# Altium PCB ZZW-FM17550-CB-001-V0.4.PcbDoc (part 3 of 3) (continued)
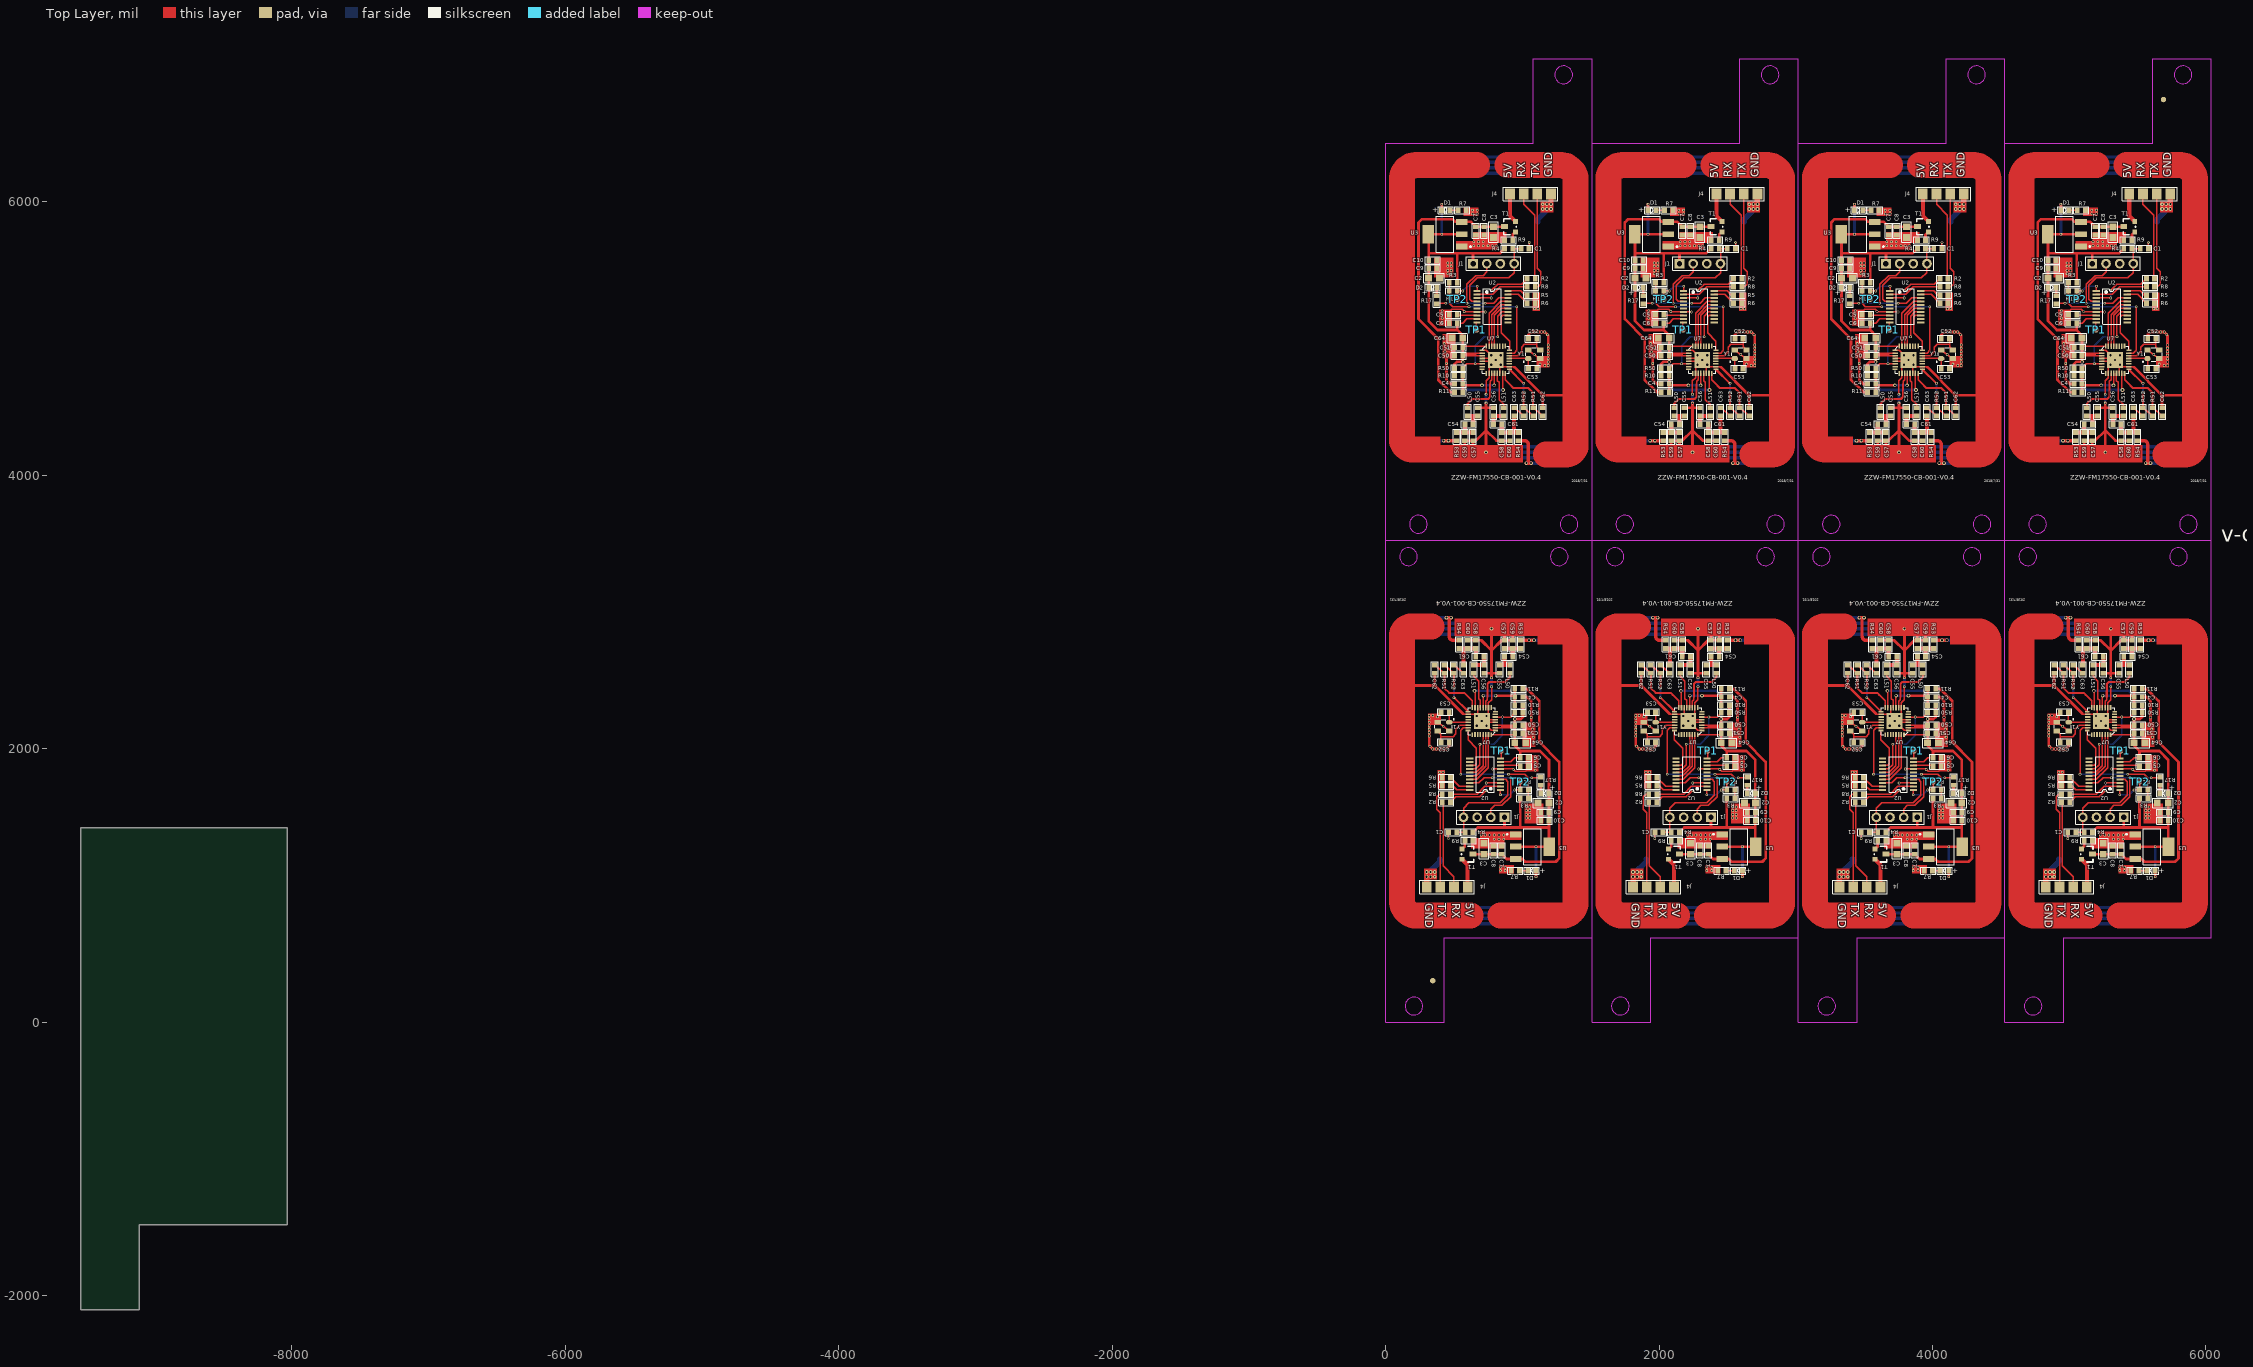
[diagram p0: Top Layer view]
## Nets (pads, with @x,y where several pads share a name; then routed paths per layer and width w, separated by ;. In a path a pad name is that pad's centre, name@x,y a point inside that pad or via, vN(x,y) a via of type N, cw(c..) or ccw(c..) an arc to the next point about the centre after c; other vN are vias at no path point) (continued)
  Bottom Layer w10: v2(549.58,1814.42) v2(899.58,1814.42) ; v2(610.42,5233.59) v2(960.42,5233.59) ; v2(2059.58,1814.42) v2(2409.58,1814.42) ; v2(2120.42,5233.59) v2(2470.42,5233.59) ; v2(3569.58,1814.42) v2(3919.58,1814.42) ; v2(3630.42,5233.59) v2(3980.42,5233.59) ; v2(5079.58,1814.42) v2(5429.58,1814.42) ; v2(5140.42,5233.59) v2(5490.42,5233.59)
NetR9_1: R9.1 T1.2 | length 562.3
  Top Layer w20: T1.2@560,1267 580,1287 R9.1@580,1329 ; R9.1@930,5719.01 930,5761.01 T1.2@950,5781.01 ; T1.2@2070,1267 2090,1287 R9.1@2090,1329 ; R9.1@2440,5719.01 2440,5761.01 T1.2@2460,5781.01 ; T1.2@3580,1267 3600,1287 R9.1@3600,1329 ; R9.1@3950,5719.01 3950,5761.01 T1.2@3970,5781.01 ; T1.2@5090,1267 5110,1287 R9.1@5110,1329 ; R9.1@5460,5719.01 5460,5761.01 T1.2@5480,5781.01
NetR51_2: R51.2 R52.1 U7.17 | length 3324.8
  Top Layer w15: R51.2@430.05,2612.64 R52.1@500.05,2552.64 500.05,2439.05 v2(500,2439) ; v2(500,2374) 502.49,2374 U7.17@603.08,2273.41 ; U7.17@906.92,4774.59 1007.51,4674.01 v2(1010,4674.01) ; v2(1010,4609.01) v2(1010,4609.01) R52.1@1009.95,4495.37 R51.2@1079.95,4435.37 ; R51.2@1940.05,2612.64 R52.1@2010.05,2552.64 2010.05,2439.05 v2(2010,2439) ; v2(2010,2374) 2012.49,2374 U7.17@2113.08,2273.41 ; U7.17@2416.92,4774.59 2517.51,4674.01 v2(2520,4674.01) ; v2(2520,4609.01) v2(2520,4609.01) R52.1@2519.95,4495.37 R51.2@2589.95,4435.37 ; R51.2@3450.05,2612.64 R52.1@3520.05,2552.64 3520.05,2439.05 v2(3520,2439) ; v2(3520,2374) 3522.49,2374 U7.17@3623.08,2273.41 ; U7.17@3926.92,4774.59 4027.51,4674.01 v2(4030,4674.01) ; v2(4030,4609.01) v2(4030,4609.01) R52.1@4029.95,4495.37 R51.2@4099.95,4435.37 ; R51.2@4960.05,2612.64 R52.1@5030.05,2552.64 5030.05,2439.05 v2(5030,2439) ; v2(5030,2374) 5032.49,2374 U7.17@5133.08,2273.41 ; U7.17@5436.92,4774.59 5537.51,4674.01 v2(5540,4674.01) ; v2(5540,4609.01) v2(5540,4609.01) R52.1@5539.95,4495.37 R51.2@5609.95,4435.37
  Bottom Layer w15: v2(500,2374) v2(500,2439) ; v2(1010,4609.01) v2(1010,4674.01) ; v2(2010,2374) v2(2010,2439) ; v2(2520,4609.01) v2(2520,4674.01) ; v2(3520,2374) v2(3520,2439) ; v2(4030,4609.01) v2(4030,4674.01) ; v2(5030,2374) v2(5030,2439) ; v2(5540,4609.01) v2(5540,4674.01)
NetTP1_1: TP1.1 U2.10 | length 449.5
  Top Layer w10: TP1.1@665,5064.01 665,5115.07 U2.10@668.62,5118.69 ; U2.10@841.38,1929.32 845,1932.94 TP1.1@845,1984 ; TP1.1@2175,5064.01 2175,5115.07 U2.10@2178.62,5118.69 ; U2.10@2351.38,1929.32 2355,1932.94 TP1.1@2355,1984 ; TP1.1@3685,5064.01 3685,5115.07 U2.10@3688.62,5118.69 ; U2.10@3861.38,1929.32 3865,1932.94 TP1.1@3865,1984 ; TP1.1@5195,5064.01 5195,5115.07 U2.10@5198.62,5118.69 ; U2.10@5371.38,1929.32 5375,1932.94 TP1.1@5375,1984
TVDD: C4.2 R10.2 R11.2 U7.12 | length 3438.9
  Top Layer w10: C4.2@565,4659.01 C4.2@565,4669.01 ; U7.12@713.31,2301.22 713.31,2387.31 v3(715,2389) ; v3(795,4659.01) 796.69,4660.69 U7.12@796.69,4746.79 ; C4.2@945,2379 C4.2@945,2389 ; C4.2@2075,4659.01 C4.2@2075,4669.01 ; U7.12@2223.31,2301.22 2223.31,2387.31 v3(2225,2389) ; v3(2305,4659.01) 2306.69,4660.69 U7.12@2306.69,4746.79 ; C4.2@2455,2379 C4.2@2455,2389 ; C4.2@3585,4659.01 C4.2@3585,4669.01 ; U7.12@3733.31,2301.22 3733.31,2387.31 v3(3735,2389) ; v3(3815,4659.01) 3816.69,4660.69 U7.12@3816.69,4746.79 ; C4.2@3965,2379 C4.2@3965,2389 ; C4.2@5095,4659.01 C4.2@5095,4669.01 ; U7.12@5243.31,2301.22 5243.31,2387.31 v3(5245,2389) ; v3(5325,4659.01) 5326.69,4660.69 U7.12@5326.69,4746.79 ; C4.2@5475,2379 C4.2@5475,2389
  Top Layer w20: R10.2@564.95,4720.37 565,4720.32 C4.2@565,4669.01 ; R11.2@565,4609.01 565,4659.01 v3(705,4659.01) ; v3(805,2389) 945,2389 R11.2@945,2439 ; C4.2@945,2379 945,2327.68 R10.2@945.05,2327.64 ; R10.2@2074.95,4720.37 2075,4720.32 C4.2@2075,4669.01 ; R11.2@2075,4609.01 2075,4659.01 v3(2215,4659.01) ; v3(2315,2389) 2455,2389 R11.2@2455,2439 ; C4.2@2455,2379 2455,2327.68 R10.2@2455.05,2327.64 ; R10.2@3584.95,4720.37 3585,4720.32 C4.2@3585,4669.01 ; R11.2@3585,4609.01 3585,4659.01 v3(3725,4659.01) ; v3(3825,2389) 3965,2389 R11.2@3965,2439 ; C4.2@3965,2379 3965,2327.68 R10.2@3965.05,2327.64 ; R10.2@5094.95,4720.37 5095,4720.32 C4.2@5095,4669.01 ; R11.2@5095,4609.01 5095,4659.01 v3(5235,4659.01) ; v3(5335,2389) 5475,2389 R11.2@5475,2439 ; C4.2@5475,2379 5475,2327.68 R10.2@5475.05,2327.64
  Bottom Layer w20: v3(705,4659.01) v3(795,4659.01) ; v3(715,2389) v3(805,2389) ; v3(2215,4659.01) v3(2305,4659.01) ; v3(2225,2389) v3(2315,2389) ; v3(3725,4659.01) v3(3815,4659.01) ; v3(3735,2389) v3(3825,2389) ; v3(5235,4659.01) v3(5325,4659.01) ; v3(5245,2389) v3(5335,2389)
VDD: C2.2 C6.1 C9.2 C10.2 C50.2 C51.2 C64.2 D1.1 D2.1 J1.1 R3.2 R4.2 R10.1 R50.2 U2.9 U3.2 U3.4 U7.2 U7.3 U7.15 U7.32 | length 31038.4
  Top Layer w10: 545,5114.01 564.72,5114.01 595,5144.28 U2.9@668.62,5144.28 ; 564.95,4900.37 570.9,4894.43 584.01,4894.43 ; C51.2@564.95,4935.37 575.19,4945.61 U7.32@737.63,4945.61 ; v3(650,2424) 654.26,2419.74 U7.15@654.26,2301.22 ; U7.3@708.1,4874.74 ccw(c706.58,4873.22) 706.58,4875.37 C50.2@564.95,4875.37 584.01,4894.43 ; U7.2@708.1,4894.43 584.01,4894.43 ; U7.32@772.37,2102.4 934.81,2102.4 C51.2@945.05,2112.64 ; U7.2@801.9,2153.58 925.99,2153.58 ; U7.3@801.9,2173.27 ccw(c803.42,2174.79) 803.42,2172.64 C50.2@945.05,2172.64 925.99,2153.58 ; U2.9@841.38,1903.72 915,1903.72 945.28,1934 965,1934 ; U7.15@855.74,4746.79 855.74,4628.27 v3(860,4624.01) ; 945.05,2147.64 939.1,2153.58 925.99,2153.58 ; 2055,5114.01 2074.72,5114.01 2105,5144.28 U2.9@2178.62,5144.28 ; 2074.95,4900.37 2080.9,4894.43 2094.01,4894.43 ; C51.2@2074.95,4935.37 2085.19,4945.61 U7.32@2247.63,4945.61 ; v3(2160,2424) 2164.26,2419.74 U7.15@2164.26,2301.22 ; U7.3@2218.1,4874.74 ccw(c2216.58,4873.22) 2216.58,4875.37 C50.2@2074.95,4875.37 2094.01,4894.43 ; U7.2@2218.1,4894.43 2094.01,4894.43 ; U7.32@2282.37,2102.4 2444.81,2102.4 C51.2@2455.05,2112.64 ; U7.2@2311.9,2153.58 2435.99,2153.58 ; U7.3@2311.9,2173.27 ccw(c2313.42,2174.79) 2313.42,2172.64 C50.2@2455.05,2172.64 2435.99,2153.58 ; U2.9@2351.38,1903.72 2425,1903.72 2455.28,1934 2475,1934 ; U7.15@2365.74,4746.79 2365.74,4628.27 v3(2370,4624.01) ; 2455.05,2147.64 2449.1,2153.58 2435.99,2153.58 ; 3565,5114.01 3584.72,5114.01 3615,5144.28 U2.9@3688.62,5144.28 ; 3584.95,4900.37 3590.9,4894.43 3604.01,4894.43 ; C51.2@3584.95,4935.37 3595.19,4945.61 U7.32@3757.63,4945.61 ; v3(3670,2424) 3674.26,2419.74 U7.15@3674.26,2301.22 ; U7.3@3728.1,4874.74 ccw(c3726.58,4873.22) 3726.58,4875.37 C50.2@3584.95,4875.37 3604.01,4894.43 ; U7.2@3728.1,4894.43 3604.01,4894.43 ; U7.32@3792.37,2102.4 3954.81,2102.4 C51.2@3965.05,2112.64 ; U7.2@3821.9,2153.58 3945.99,2153.58 ; U7.3@3821.9,2173.27 ccw(c3823.42,2174.79) 3823.42,2172.64 C50.2@3965.05,2172.64 3945.99,2153.58 ; U2.9@3861.38,1903.72 3935,1903.72 3965.28,1934 3985,1934 ; U7.15@3875.74,4746.79 3875.74,4628.27 v3(3880,4624.01) ; 3965.05,2147.64 3959.1,2153.58 3945.99,2153.58 ; 5075,5114.01 5094.72,5114.01 5125,5144.28 U2.9@5198.62,5144.28 ; 5094.95,4900.37 5100.9,4894.43 5114.01,4894.43 ; C51.2@5094.95,4935.37 5105.19,4945.61 U7.32@5267.63,4945.61 ; v3(5180,2424) 5184.26,2419.74 U7.15@5184.26,2301.22 ; U7.3@5238.1,4874.74 ccw(c5236.58,4873.22) 5236.58,4875.37 C50.2@5094.95,4875.37 5114.01,4894.43 ; U7.2@5238.1,4894.43 5114.01,4894.43 ; U7.32@5302.37,2102.4 5464.81,2102.4 C51.2@5475.05,2112.64 ; U7.2@5331.9,2153.58 5455.99,2153.58 ; U7.3@5331.9,2173.27 ccw(c5333.42,2174.79) 5333.42,2172.64 C50.2@5475.05,2172.64 5455.99,2153.58 ; U2.9@5371.38,1903.72 5445,1903.72 5475.28,1934 5495,1934 ; U7.15@5385.74,4746.79 5385.74,4628.27 v3(5390,4624.01) ; 5475.05,2147.64 5469.1,2153.58 5455.99,2153.58
  Top Layer w20: U3.4@315,5764.01 315,5624.01 ; U3.4@335,5764.01 U3.2@557.05,5764.01 ; D1.1@410,5939.01 v2(410,5984.01) ; R10.1@505,4729.01 505,4785.32 R50.2@504.95,4785.37 504.95,4813.96 521.36,4830.37 v3(564.95,4830.37) C50.2@564.95,4875.37 ; C6.1@525,5114.01 525,5064.01 ; R3.2@525,5409.01 525,5624.01 ; 564.95,4900.37 C51.2@564.95,4935.37 C64.2@564.95,5004.01 564.95,5024.05 525,5064.01 ; R4.2@640,1389 675,1424 870,1424 ; J1.1@640,5549.01 640,5624.01 ; J1.1@870,1499 870,1424 ; R4.2@870,5659.01 835,5624.01 640,5624.01 ; 945.05,2147.64 C51.2@945.05,2112.64 C64.2@945.05,2044 945.05,2023.95 985,1984 ; C50.2@945.05,2172.64 v3(945.05,2217.64) 988.64,2217.64 1005.05,2234.05 R50.2@1005.05,2262.64 1005,2262.68 R10.1@1005,2319 ; U3.2@952.95,1284 U3.4@1175,1284 ; R3.2@985,1639 985,1424 ; C6.1@985,1934 985,1984 ; v2(1100,1064) D1.1@1100,1109 ; U3.4@1195,1284 1195,1424 ; U3.4@1825,5764.01 1825,5624.01 ; U3.4@1845,5764.01 U3.2@2067.05,5764.01 ; D1.1@1920,5939.01 v2(1920,5984.01) ; R10.1@2015,4729.01 2015,4785.32 R50.2@2014.95,4785.37 2014.95,4813.96 2031.36,4830.37 v3(2074.95,4830.37) C50.2@2074.95,4875.37 ; C6.1@2035,5114.01 2035,5064.01 ; R3.2@2035,5409.01 2035,5624.01 ; 2074.95,4900.37 C51.2@2074.95,4935.37 C64.2@2074.95,5004.01 2074.95,5024.05 2035,5064.01 ; R4.2@2150,1389 2185,1424 2380,1424 ; J1.1@2150,5549.01 2150,5624.01 ; J1.1@2380,1499 2380,1424 ; R4.2@2380,5659.01 2345,5624.01 2150,5624.01 ; 2455.05,2147.64 C51.2@2455.05,2112.64 C64.2@2455.05,2044 2455.05,2023.95 2495,1984 ; C50.2@2455.05,2172.64 v3(2455.05,2217.64) 2498.64,2217.64 2515.05,2234.05 R50.2@2515.05,2262.64 2515,2262.68 R10.1@2515,2319 ; U3.2@2462.95,1284 U3.4@2685,1284 ; R3.2@2495,1639 2495,1424 ; C6.1@2495,1934 2495,1984 ; v2(2610,1064) D1.1@2610,1109 ; U3.4@2705,1284 2705,1424 ; U3.4@3335,5764.01 3335,5624.01 ; U3.4@3355,5764.01 U3.2@3577.05,5764.01 ; D1.1@3430,5939.01 v2(3430,5984.01) ; R10.1@3525,4729.01 3525,4785.32 R50.2@3524.95,4785.37 3524.95,4813.96 3541.36,4830.37 v3(3584.95,4830.37) C50.2@3584.95,4875.37 ; C6.1@3545,5114.01 3545,5064.01 ; R3.2@3545,5409.01 3545,5624.01 ; 3584.95,4900.37 C51.2@3584.95,4935.37 C64.2@3584.95,5004.01 3584.95,5024.05 3545,5064.01 ; R4.2@3660,1389 3695,1424 3890,1424 ; J1.1@3660,5549.01 3660,5624.01 ; J1.1@3890,1499 3890,1424 ; R4.2@3890,5659.01 3855,5624.01 3660,5624.01 ; 3965.05,2147.64 C51.2@3965.05,2112.64 C64.2@3965.05,2044 3965.05,2023.95 4005,1984 ; C50.2@3965.05,2172.64 v3(3965.05,2217.64) 4008.64,2217.64 4025.05,2234.05 R50.2@4025.05,2262.64 4025,2262.68 R10.1@4025,2319 ; U3.2@3972.95,1284 U3.4@4195,1284 ; R3.2@4005,1639 4005,1424 ; C6.1@4005,1934 4005,1984 ; v2(4120,1064) D1.1@4120,1109 ; U3.4@4215,1284 4215,1424 ; U3.4@4845,5764.01 4845,5624.01 ; U3.4@4865,5764.01 U3.2@5087.05,5764.01 ; D1.1@4940,5939.01 v2(4940,5984.01) ; R10.1@5035,4729.01 5035,4785.32 R50.2@5034.95,4785.37 5034.95,4813.96 5051.36,4830.37 v3(5094.95,4830.37) C50.2@5094.95,4875.37 ; C6.1@5055,5114.01 5055,5064.01 ; R3.2@5055,5409.01 5055,5624.01 ; 5094.95,4900.37 C51.2@5094.95,4935.37 C64.2@5094.95,5004.01 5094.95,5024.05 5055,5064.01 ; R4.2@5170,1389 5205,1424 5400,1424 ; J1.1@5170,5549.01 5170,5624.01 ; J1.1@5400,1499 5400,1424 ; R4.2@5400,5659.01 5365,5624.01 5170,5624.01 ; 5475.05,2147.64 C51.2@5475.05,2112.64 C64.2@5475.05,2044 5475.05,2023.95 5515,1984 ; C50.2@5475.05,2172.64 v3(5475.05,2217.64) 5518.64,2217.64 5535.05,2234.05 R50.2@5535.05,2262.64 5535,2262.68 R10.1@5535,2319 ; U3.2@5482.95,1284 U3.4@5705,1284 ; R3.2@5515,1639 5515,1424 ; C6.1@5515,1934 5515,1984 ; v2(5630,1064) D1.1@5630,1109 ; U3.4@5725,1284 5725,1424 ; 315,5624.01 525,5624.01 ; 315,5624.01 C10.2@315,5574.01 C9.2@315,5514.01 C2.2@315,5444.01 D2.1@315,5374.01 315,5129.01 380,5064.01 525,5064.01 ; 525,5624.01 640,5624.01 ; 870,1424 985,1424 ; 985,1424 1195,1424 ; 985,1984 1130,1984 1195,1919 D2.1@1195,1674 C2.2@1195,1604 C9.2@1195,1534 C10.2@1195,1474 1195,1424 ; 1825,5624.01 2035,5624.01 ; 1825,5624.01 C10.2@1825,5574.01 C9.2@1825,5514.01 C2.2@1825,5444.01 D2.1@1825,5374.01 1825,5129.01 1890,5064.01 2035,5064.01 ; 2035,5624.01 2150,5624.01 ; 2380,1424 2495,1424 ; 2495,1424 2705,1424 ; 2495,1984 2640,1984 2705,1919 D2.1@2705,1674 C2.2@2705,1604 C9.2@2705,1534 C10.2@2705,1474 2705,1424 ; 3335,5624.01 3545,5624.01 ; 3335,5624.01 C10.2@3335,5574.01 C9.2@3335,5514.01 C2.2@3335,5444.01 D2.1@3335,5374.01 3335,5129.01 3400,5064.01 3545,5064.01 ; 3545,5624.01 3660,5624.01 ; 3890,1424 4005,1424 ; 4005,1424 4215,1424 ; 4005,1984 4150,1984 4215,1919 D2.1@4215,1674 C2.2@4215,1604 C9.2@4215,1534 C10.2@4215,1474 4215,1424 ; 4845,5624.01 5055,5624.01 ; 4845,5624.01 C10.2@4845,5574.01 C9.2@4845,5514.01 C2.2@4845,5444.01 D2.1@4845,5374.01 4845,5129.01 4910,5064.01 5055,5064.01 ; 5055,5624.01 5170,5624.01 ; 5400,1424 5515,1424 ; 5515,1424 5725,1424 ; 5515,1984 5660,1984 5725,1919 D2.1@5725,1674 C2.2@5725,1604 C9.2@5725,1534 C10.2@5725,1474 5725,1424
  Bottom Layer w20: v1(410,5764.01) v2(410,5984.01) ; v3(564.95,4830.37) 564.95,4659.05 600,4624.01 v3(860,4624.01) ; v3(650,2424) 910,2424 945.05,2388.95 v3(945.05,2217.64) ; v2(1100,1064) v1(1100,1284) ; v1(1920,5764.01) v2(1920,5984.01) ; v3(2074.95,4830.37) 2074.95,4659.05 2110,4624.01 v3(2370,4624.01) ; v3(2160,2424) 2420,2424 2455.05,2388.95 v3(2455.05,2217.64) ; v2(2610,1064) v1(2610,1284) ; v1(3430,5764.01) v2(3430,5984.01) ; v3(3584.95,4830.37) 3584.95,4659.05 3620,4624.01 v3(3880,4624.01) ; v3(3670,2424) 3930,2424 3965.05,2388.95 v3(3965.05,2217.64) ; v2(4120,1064) v1(4120,1284) ; v1(4940,5764.01) v2(4940,5984.01) ; v3(5094.95,4830.37) 5094.95,4659.05 5130,4624.01 v3(5390,4624.01) ; v3(5180,2424) 5440,2424 5475.05,2388.95 v3(5475.05,2217.64) ; v2(5630,1064) v1(5630,1284)
pads on no net: U2.5 U2.6 U2.11 U2.12 U7.7 U7.8 U7.9 U7.19 U7.20 U7.25 U7.26 U7.27 U7.28

## Polygon pours and split planes (outlines as drawn)
GND on Bottom Layer "GND_L02_P046" (solid, remove dead copper, pour order 46): 4810,1044 4810,1124 4895,1124 4895,2259 5630,2259 5630,2019 5710,1939 5710,1321.5 5470,1321.5 5470,1044
GND on Bottom Layer "GND_L02_P044" (solid, remove dead copper, pour order 44): 3300,1044 3300,1124 3385,1124 3385,2259 4120,2259 4120,2019 4200,1939 4200,1321.5 3960,1321.5 3960,1044
GND on Bottom Layer "GND_L02_P042" (solid, remove dead copper, pour order 42): 1790,1044 1790,1124 1875,1124 1875,2259 2610,2259 2610,2019 2690,1939 2690,1321.5 2450,1321.5 2450,1044
GND on Bottom Layer "GND_L02_P040" (solid, remove dead copper, pour order 40): 280,1044 280,1124 365,1124 365,2259 1100,2259 1100,2019 1180,1939 1180,1321.5 940,1321.5 940,1044
GND on Bottom Layer "GND_L02_P030" (solid, remove dead copper, pour order 30): 5760,6004.01 5760,5924.01 5675,5924.01 5675,4789.01 4940,4789.01 4940,5029.01 4860,5109.01 4860,5726.51 5100,5726.51 5100,6004.01
GND on Bottom Layer "GND_L02_P028" (solid, remove dead copper, pour order 28): 4250,6004.01 4250,5924.01 4165,5924.01 4165,4789.01 3430,4789.01 3430,5029.01 3350,5109.01 3350,5726.51 3590,5726.51 3590,6004.01
GND on Bottom Layer "GND_L02_P026" (solid, remove dead copper, pour order 26): 2740,6004.01 2740,5924.01 2655,5924.01 2655,4789.01 1920,4789.01 1920,5029.01 1840,5109.01 1840,5726.51 2080,5726.51 2080,6004.01
GND on Bottom Layer "GND_L02_P024" (solid, remove dead copper, pour order 24): 1230,6004.01 1230,5924.01 1145,5924.01 1145,4789.01 410,4789.01 410,5029.01 330,5109.01 330,5726.51 570,5726.51 570,6004.01

## Keep-outs
Keep-Out Layer:
  circle w5: c4737.12,118.05 r64.96
  circle w5: c4697.75,3405.45 r64.96
  circle w5: c5800.11,3405.45 r64.96
  circle w5: c3227.12,118.05 r64.96
  circle w5: c3187.75,3405.45 r64.96
  circle w5: c4290.11,3405.45 r64.96
  circle w5: c1717.12,118.05 r64.96
  circle w5: c1677.75,3405.45 r64.96
  circle w5: c2780.11,3405.45 r64.96
  circle w5: c207.12,118.05 r64.96
  circle w5: c167.75,3405.45 r64.96
  circle w5: c1270.11,3405.45 r64.96
  circle w5: c5832.88,6929.96 r64.96
  circle w5: c5872.25,3642.56 r64.96
  circle w5: c4769.89,3642.56 r64.96
  circle w5: c4322.88,6929.96 r64.96
  circle w5: c4362.25,3642.56 r64.96
  circle w5: c3259.89,3642.56 r64.96
  circle w5: c2812.88,6929.96 r64.96
  circle w5: c2852.25,3642.56 r64.96
  circle w5: c1749.89,3642.56 r64.96
  circle w5: c1302.88,6929.96 r64.96
  circle w5: c1342.25,3642.56 r64.96
  circle w5: c239.89,3642.56 r64.96
  lines w5: 0,3524 0,0 430,0 430,619 1510,619 1510,3524 ; 0,3524 1510,3524 ; 0,3524.01 0,6429.01 1080,6429.01 1080,7048.01 1510,7048.01 1510,3524.01 ; 0,3524.01 1510,3524.01 ; 1510,3524 1510,0 1940,0 1940,619 3020,619 3020,3524 ; 1510,3524 3020,3524 ; 1510,3524.01 1510,6429.01 2590,6429.01 2590,7048.01 3020,7048.01 3020,3524.01 ; 1510,3524.01 3020,3524.01 ; 3020,3524 3020,0 3450,0 3450,619 4530,619 4530,3524 ; 3020,3524 4530,3524 ; 3020,3524.01 3020,6429.01 4100,6429.01 4100,7048.01 4530,7048.01 4530,3524.01 ; 3020,3524.01 4530,3524.01 ; 4530,3524 4530,0 4960,0 4960,619 6040,619 6040,3524 ; 4530,3524 6040,3524 ; 4530,3524.01 4530,6429.01 5610,6429.01 5610,7048.01 6040,7048.01 6040,3524.01 ; 4530,3524.01 6040,3524.01

## Other copper
Top Layer:
  region net GND: 5470,1149 5360,1149 5360,1089 5470,1089
  region net GND: 4965,1844 4910,1844 4910,1709 4965,1709
  region net GND: 4935,2259 4840,2259 4840,2175.82 4935,2175.82
  region net GND: 5625,2194 5530,2194 5530,2014 5625,2014
  region net GND: 5650,1954 5555,1954 5555,1834 5650,1834
  region net GND: 5685,1599 5545,1599 5545,1454 5685,1454
  region net GND: 5220,1349 5155,1349 5155,1269 5220,1269
  region net GND: 5400,1394 5220,1394 5220,1269 5400,1269
  region net GND: 5525,1394 5220,1394 5220,1334 5525,1334
  region net VDD: 5485.05,2177.64 5375.05,2177.64 5375.05,2147.64 5485.05,2147.64
  region net GND: 5850,2954 5035,2954 5035,2824 5850,2824
  region net GND: 5850,2854 5640,2854 5640,2764 5850,2764
  region net GND: 4905,1124 4810,1124 4810,1044 4905,1044
  region net GND: 3960,1149 3850,1149 3850,1089 3960,1089
  region net GND: 3455,1844 3400,1844 3400,1709 3455,1709
  region net GND: 3425,2259 3330,2259 3330,2175.82 3425,2175.82
  region net GND: 4115,2194 4020,2194 4020,2014 4115,2014
  region net GND: 4140,1954 4045,1954 4045,1834 4140,1834
  region net GND: 4175,1599 4035,1599 4035,1454 4175,1454
  region net GND: 3710,1349 3645,1349 3645,1269 3710,1269
  region net GND: 3890,1394 3710,1394 3710,1269 3890,1269
  region net GND: 4015,1394 3710,1394 3710,1334 4015,1334
  region net VDD: 3975.05,2177.64 3865.05,2177.64 3865.05,2147.64 3975.05,2147.64
  region net GND: 4340,2954 3525,2954 3525,2824 4340,2824
  region net GND: 4340,2854 4130,2854 4130,2764 4340,2764
  region net GND: 3395,1124 3300,1124 3300,1044 3395,1044
  region net GND: 2450,1149 2340,1149 2340,1089 2450,1089
  region net GND: 1945,1844 1890,1844 1890,1709 1945,1709
  region net GND: 1915,2259 1820,2259 1820,2175.82 1915,2175.82
  region net GND: 2605,2194 2510,2194 2510,2014 2605,2014
  region net GND: 2630,1954 2535,1954 2535,1834 2630,1834
  region net GND: 2665,1599 2525,1599 2525,1454 2665,1454
  region net GND: 2200,1349 2135,1349 2135,1269 2200,1269
  region net GND: 2380,1394 2200,1394 2200,1269 2380,1269
  region net GND: 2505,1394 2200,1394 2200,1334 2505,1334
  region net VDD: 2465.05,2177.64 2355.05,2177.64 2355.05,2147.64 2465.05,2147.64
  region net GND: 2830,2954 2015,2954 2015,2824 2830,2824
  region net GND: 2830,2854 2620,2854 2620,2764 2830,2764
  region net GND: 1885,1124 1790,1124 1790,1044 1885,1044
  region net GND: 940,1149 830,1149 830,1089 940,1089
  region net GND: 435,1844 380,1844 380,1709 435,1709
  region net GND: 405,2259 310,2259 310,2175.82 405,2175.82
  region net GND: 1095,2194 1000,2194 1000,2014 1095,2014
  region net GND: 1120,1954 1025,1954 1025,1834 1120,1834
  region net GND: 1155,1599 1015,1599 1015,1454 1155,1454
  region net GND: 690,1349 625,1349 625,1269 690,1269
  region net GND: 870,1394 690,1394 690,1269 870,1269
  region net GND: 995,1394 690,1394 690,1334 995,1334
  region net VDD: 955.05,2177.64 845.05,2177.64 845.05,2147.64 955.05,2147.64
  region net GND: 1320,2954 505,2954 505,2824 1320,2824
  region net GND: 1320,2854 1110,2854 1110,2764 1320,2764
  region net GND: 375,1124 280,1124 280,1044 375,1044
  rectangle net GND: 5100,5899.01 5210,5959.01
  rectangle net GND: 5605,5204.01 5660,5339.01
  rectangle net GND: 5635,4789.01 5730,4872.19
  rectangle net GND: 4945,4854.01 5040,5034.01
  rectangle net GND: 4920,5094.01 5015,5214.01
  rectangle net GND: 4885,5449.01 5025,5594.01
  rectangle net GND: 5350,5699.01 5415,5779.01
  rectangle net GND: 5170,5654.01 5350,5779.01
  rectangle net GND: 5045,5654.01 5350,5714.01
  rectangle net VDD: 5084.95,4870.37 5194.95,4900.37
  rectangle net GND: 4720,4094.01 5535,4224.01
  rectangle net GND: 4720,4194.01 4930,4284.01
  rectangle net GND: 5665,5924.01 5760,6004.01
  rectangle net GND: 3590,5899.01 3700,5959.01
  rectangle net GND: 4095,5204.01 4150,5339.01
  rectangle net GND: 4125,4789.01 4220,4872.19
  rectangle net GND: 3435,4854.01 3530,5034.01
  rectangle net GND: 3410,5094.01 3505,5214.01
  rectangle net GND: 3375,5449.01 3515,5594.01
  rectangle net GND: 3840,5699.01 3905,5779.01
  rectangle net GND: 3660,5654.01 3840,5779.01
  rectangle net GND: 3535,5654.01 3840,5714.01
  rectangle net VDD: 3574.95,4870.37 3684.95,4900.37
  rectangle net GND: 3210,4094.01 4025,4224.01
  rectangle net GND: 3210,4194.01 3420,4284.01
  rectangle net GND: 4155,5924.01 4250,6004.01
  rectangle net GND: 2080,5899.01 2190,5959.01
  rectangle net GND: 2585,5204.01 2640,5339.01
  rectangle net GND: 2615,4789.01 2710,4872.19
  rectangle net GND: 1925,4854.01 2020,5034.01
  rectangle net GND: 1900,5094.01 1995,5214.01
  rectangle net GND: 1865,5449.01 2005,5594.01
  rectangle net GND: 2330,5699.01 2395,5779.01
  rectangle net GND: 2150,5654.01 2330,5779.01
  rectangle net GND: 2025,5654.01 2330,5714.01
  rectangle net VDD: 2064.95,4870.37 2174.95,4900.37
  rectangle net GND: 1700,4094.01 2515,4224.01
  rectangle net GND: 1700,4194.01 1910,4284.01
  rectangle net GND: 2645,5924.01 2740,6004.01
  rectangle net GND: 570,5899.01 680,5959.01
  rectangle net GND: 1075,5204.01 1130,5339.01
  rectangle net GND: 1105,4789.01 1200,4872.19
  rectangle net GND: 415,4854.01 510,5034.01
  rectangle net GND: 390,5094.01 485,5214.01
  rectangle net GND: 355,5449.01 495,5594.01
  rectangle net GND: 820,5699.01 885,5779.01
  rectangle net GND: 640,5654.01 820,5779.01
  rectangle net GND: 515,5654.01 820,5714.01
  rectangle net VDD: 554.95,4870.37 664.95,4900.37
  rectangle net GND: 190,4094.01 1005,4224.01
  rectangle net GND: 190,4194.01 400,4284.01
  rectangle net GND: 1135,5924.01 1230,6004.01

## Silkscreen, mask and mechanical layers (free items; w line width, h text height)
Top Overlay:
  text "RX" at 1045,6179.01 h100 r90
  text "TX" at 1145,6179.01 h100 r90
  text "GND" at 1240,6179.01 h100 r90
  text "RX" at 2555,6179.01 h100 r90
  text "TX" at 2655,6179.01 h100 r90
  text "GND" at 2750,6179.01 h100 r90
  text "RX" at 4065,6179.01 h100 r90
  text "TX" at 4165,6179.01 h100 r90
  text "GND" at 4260,6179.01 h100 r90
  text "RX" at 5575,6179.01 h100 r90
  text "TX" at 5675,6179.01 h100 r90
  text "GND" at 5770,6179.01 h100 r90
  text "5V" at 945,6174.01 h100 r90
  text "5V" at 2455,6174.01 h100 r90
  text "5V" at 3965,6174.01 h100 r90
  text "5V" at 5475,6174.01 h100 r90
  text "+" at 340,5924.01 h39.37
  text "+" at 1850,5924.01 h39.37
  text "+" at 3360,5924.01 h39.37
  text "+" at 4870,5924.01 h39.37
  text "+" at 265,5319.01 h39.37
  text "+" at 1775,5319.01 h39.37
  text "+" at 3285,5319.01 h39.37
  text "+" at 4795,5319.01 h39.37
  text "ZZW-FM17550-CB-001-V0.4" at 480,3954.01 h60
  text "ZZW-FM17550-CB-001-V0.4" at 1990,3954.01 h60
  text "ZZW-FM17550-CB-001-V0.4" at 3500,3954.01 h60
  text "ZZW-FM17550-CB-001-V0.4" at 5010,3954.01 h60
  text "2018/7/31" at 1360,3944.01 h30
  text "2018/7/31" at 2870,3944.01 h30
  text "2018/7/31" at 4380,3944.01 h30
  text "2018/7/31" at 5890,3944.01 h30
  text "v-cut" at 6112,3474 h196.85
  text "2018/7/31" at 150,3104 h30 r180
  text "2018/7/31" at 1660,3104 h30 r180
  text "2018/7/31" at 3170,3104 h30 r180
  text "2018/7/31" at 4680,3104 h30 r180
  text "ZZW-FM17550-CB-001-V0.4" at 1030,3094 h60 r180
  text "ZZW-FM17550-CB-001-V0.4" at 2540,3094 h60 r180
  text "ZZW-FM17550-CB-001-V0.4" at 4050,3094 h60 r180
  text "ZZW-FM17550-CB-001-V0.4" at 5560,3094 h60 r180
  text "+" at 1245,1729 h39.37 r180
  text "+" at 2755,1729 h39.37 r180
  text "+" at 4265,1729 h39.37 r180
  text "+" at 5775,1729 h39.37 r180
  text "+" at 1170,1124 h39.37 r180
  text "+" at 2680,1124 h39.37 r180
  text "+" at 4190,1124 h39.37 r180
  text "+" at 5700,1124 h39.37 r180
  text "5V" at 565,874 h100 r270
  text "5V" at 2075,874 h100 r270
  text "5V" at 3585,874 h100 r270
  text "5V" at 5095,874 h100 r270
  text "GND" at 270,869 h100 r270
  text "TX" at 365,869 h100 r270
  text "RX" at 465,869 h100 r270
  text "GND" at 1780,869 h100 r270
  text "TX" at 1875,869 h100 r270
  text "RX" at 1975,869 h100 r270
  text "GND" at 3290,869 h100 r270
  text "TX" at 3385,869 h100 r270
  text "RX" at 3485,869 h100 r270
  text "GND" at 4800,869 h100 r270
  text "TX" at 4895,869 h100 r270
  text "RX" at 4995,869 h100 r270
Bottom Overlay:
  text "TX" at 1080,6184.01 h100 r270
  text "TX" at 2590,6184.01 h100 r270
  text "TX" at 4100,6184.01 h100 r270
  text "TX" at 5610,6184.01 h100 r270
  text "RX" at 980,6179.01 h100 r270
  text "GND" at 1180,6179.01 h100 r270
  text "RX" at 2490,6179.01 h100 r270
  text "GND" at 2690,6179.01 h100 r270
  text "RX" at 4000,6179.01 h100 r270
  text "GND" at 4200,6179.01 h100 r270
  text "RX" at 5510,6179.01 h100 r270
  text "GND" at 5710,6179.01 h100 r270
  text "5V" at 880,6174.01 h100 r270
  text "5V" at 2390,6174.01 h100 r270
  text "5V" at 3900,6174.01 h100 r270
  text "5V" at 5410,6174.01 h100 r270
  text "5V" at 630,874 h100 r90
  text "5V" at 2140,874 h100 r90
  text "5V" at 3650,874 h100 r90
  text "5V" at 5160,874 h100 r90
  text "GND" at 330,869 h100 r90
  text "RX" at 530,869 h100 r90
  text "GND" at 1840,869 h100 r90
  text "RX" at 2040,869 h100 r90
  text "GND" at 3350,869 h100 r90
  text "RX" at 3550,869 h100 r90
  text "GND" at 4860,869 h100 r90
  text "RX" at 5060,869 h100 r90
  text "TX" at 430,864 h100 r90
  text "TX" at 1940,864 h100 r90
  text "TX" at 3450,864 h100 r90
  text "TX" at 4960,864 h100 r90